# KiCad board ika_right.kicad_pcb
title: KEYBOARD_NAME_HERE; rev: VERSION_HERE; company: YOUR_NAME_HERE
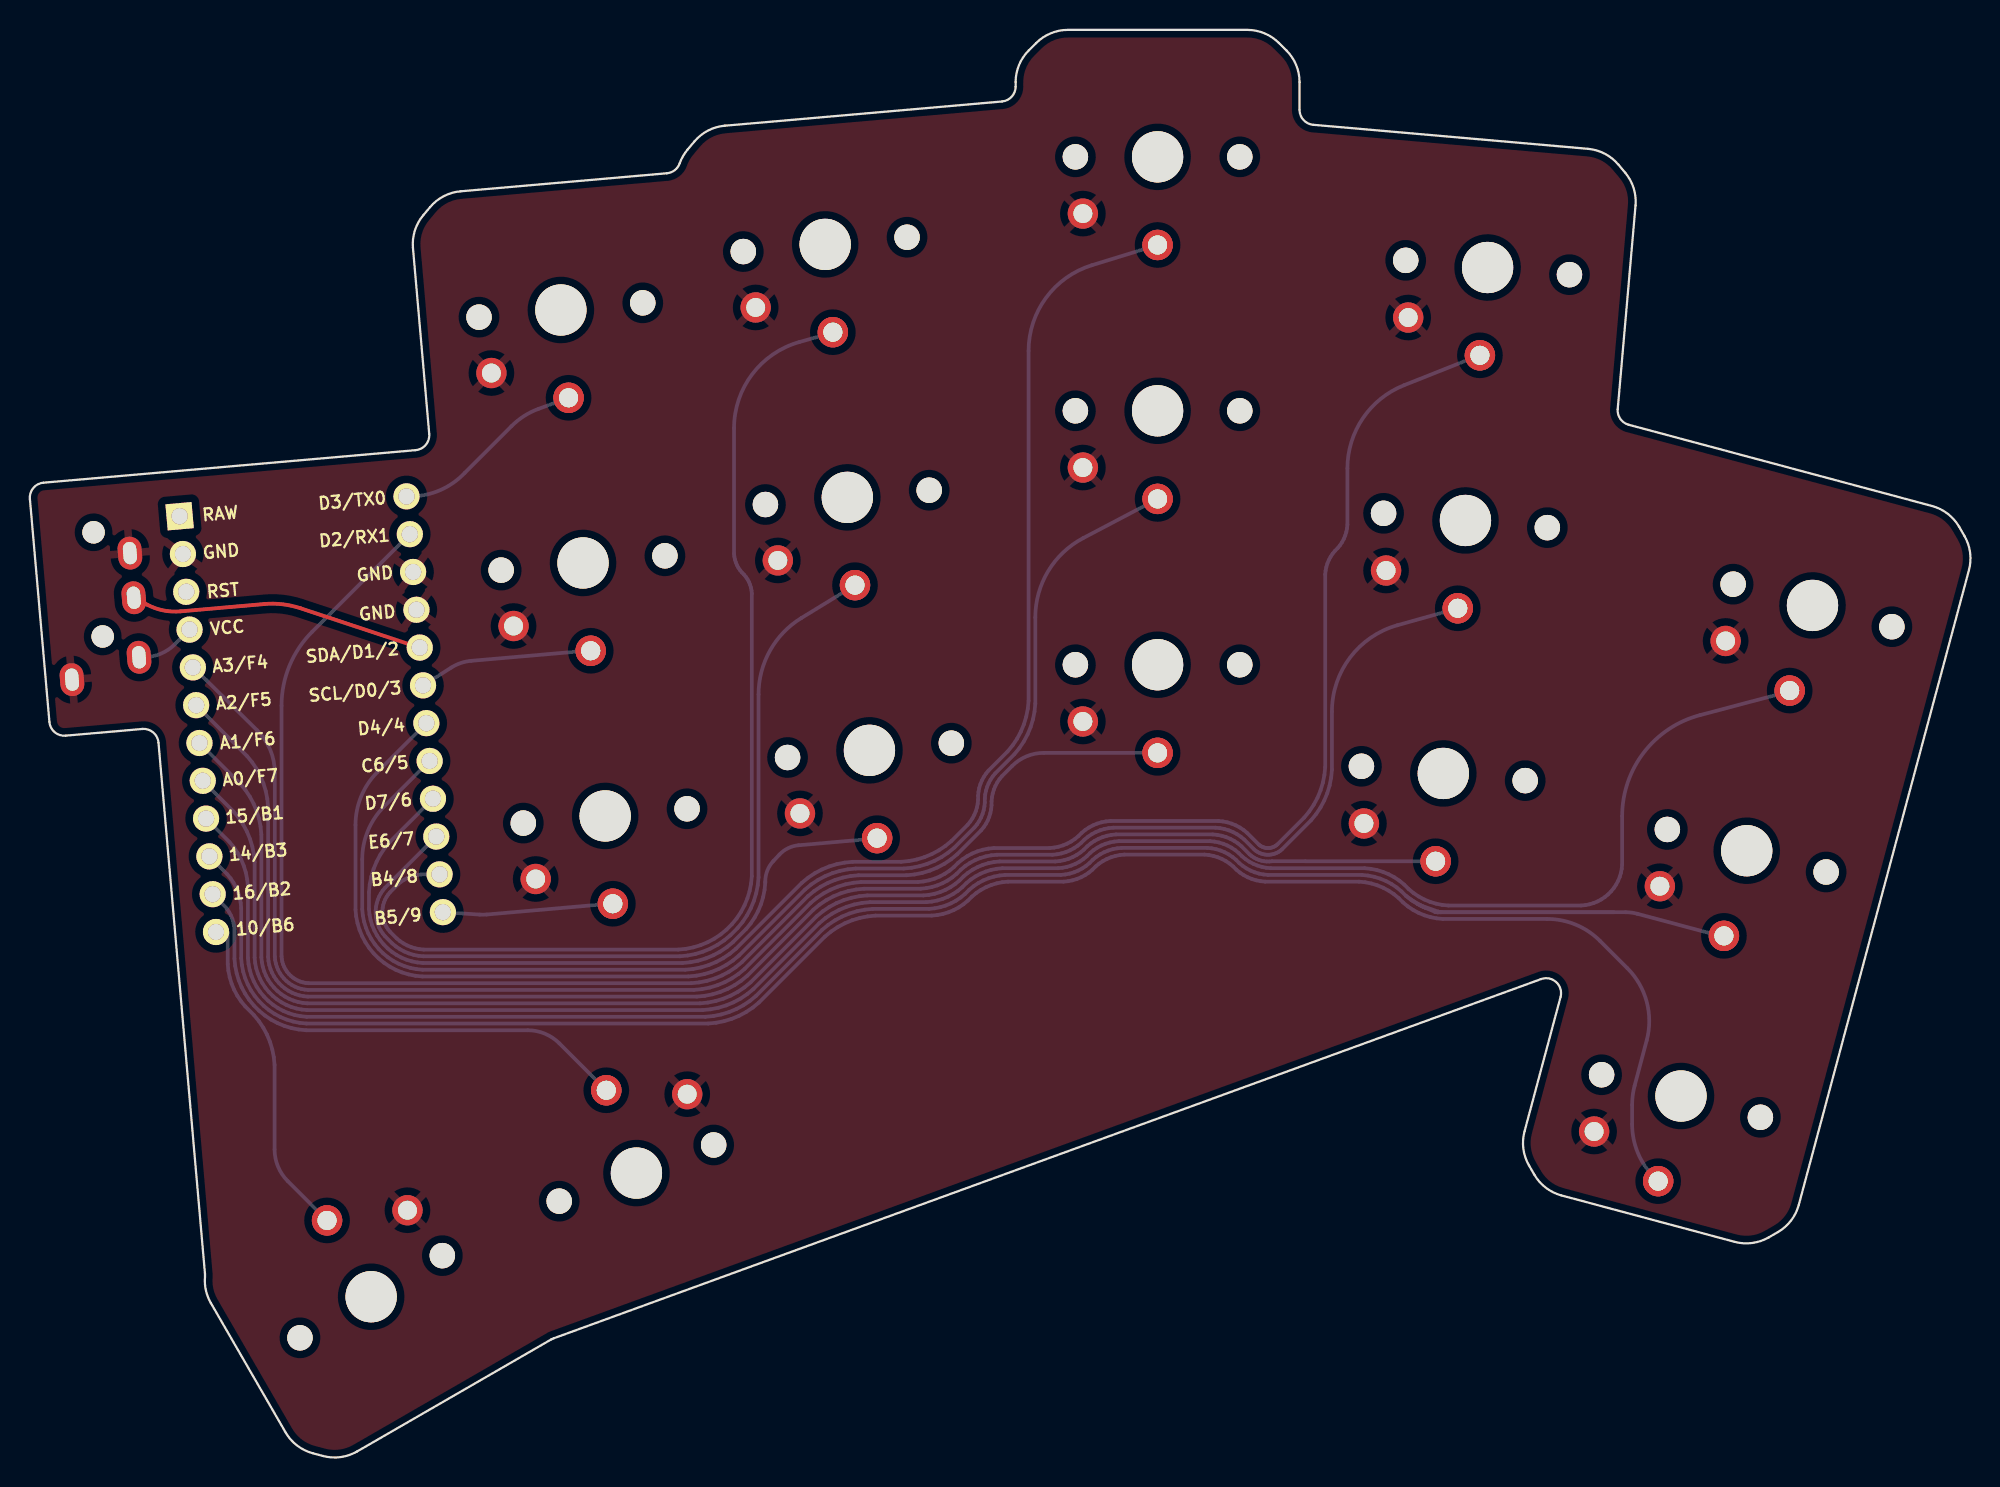
[diagram p0: board, top side]
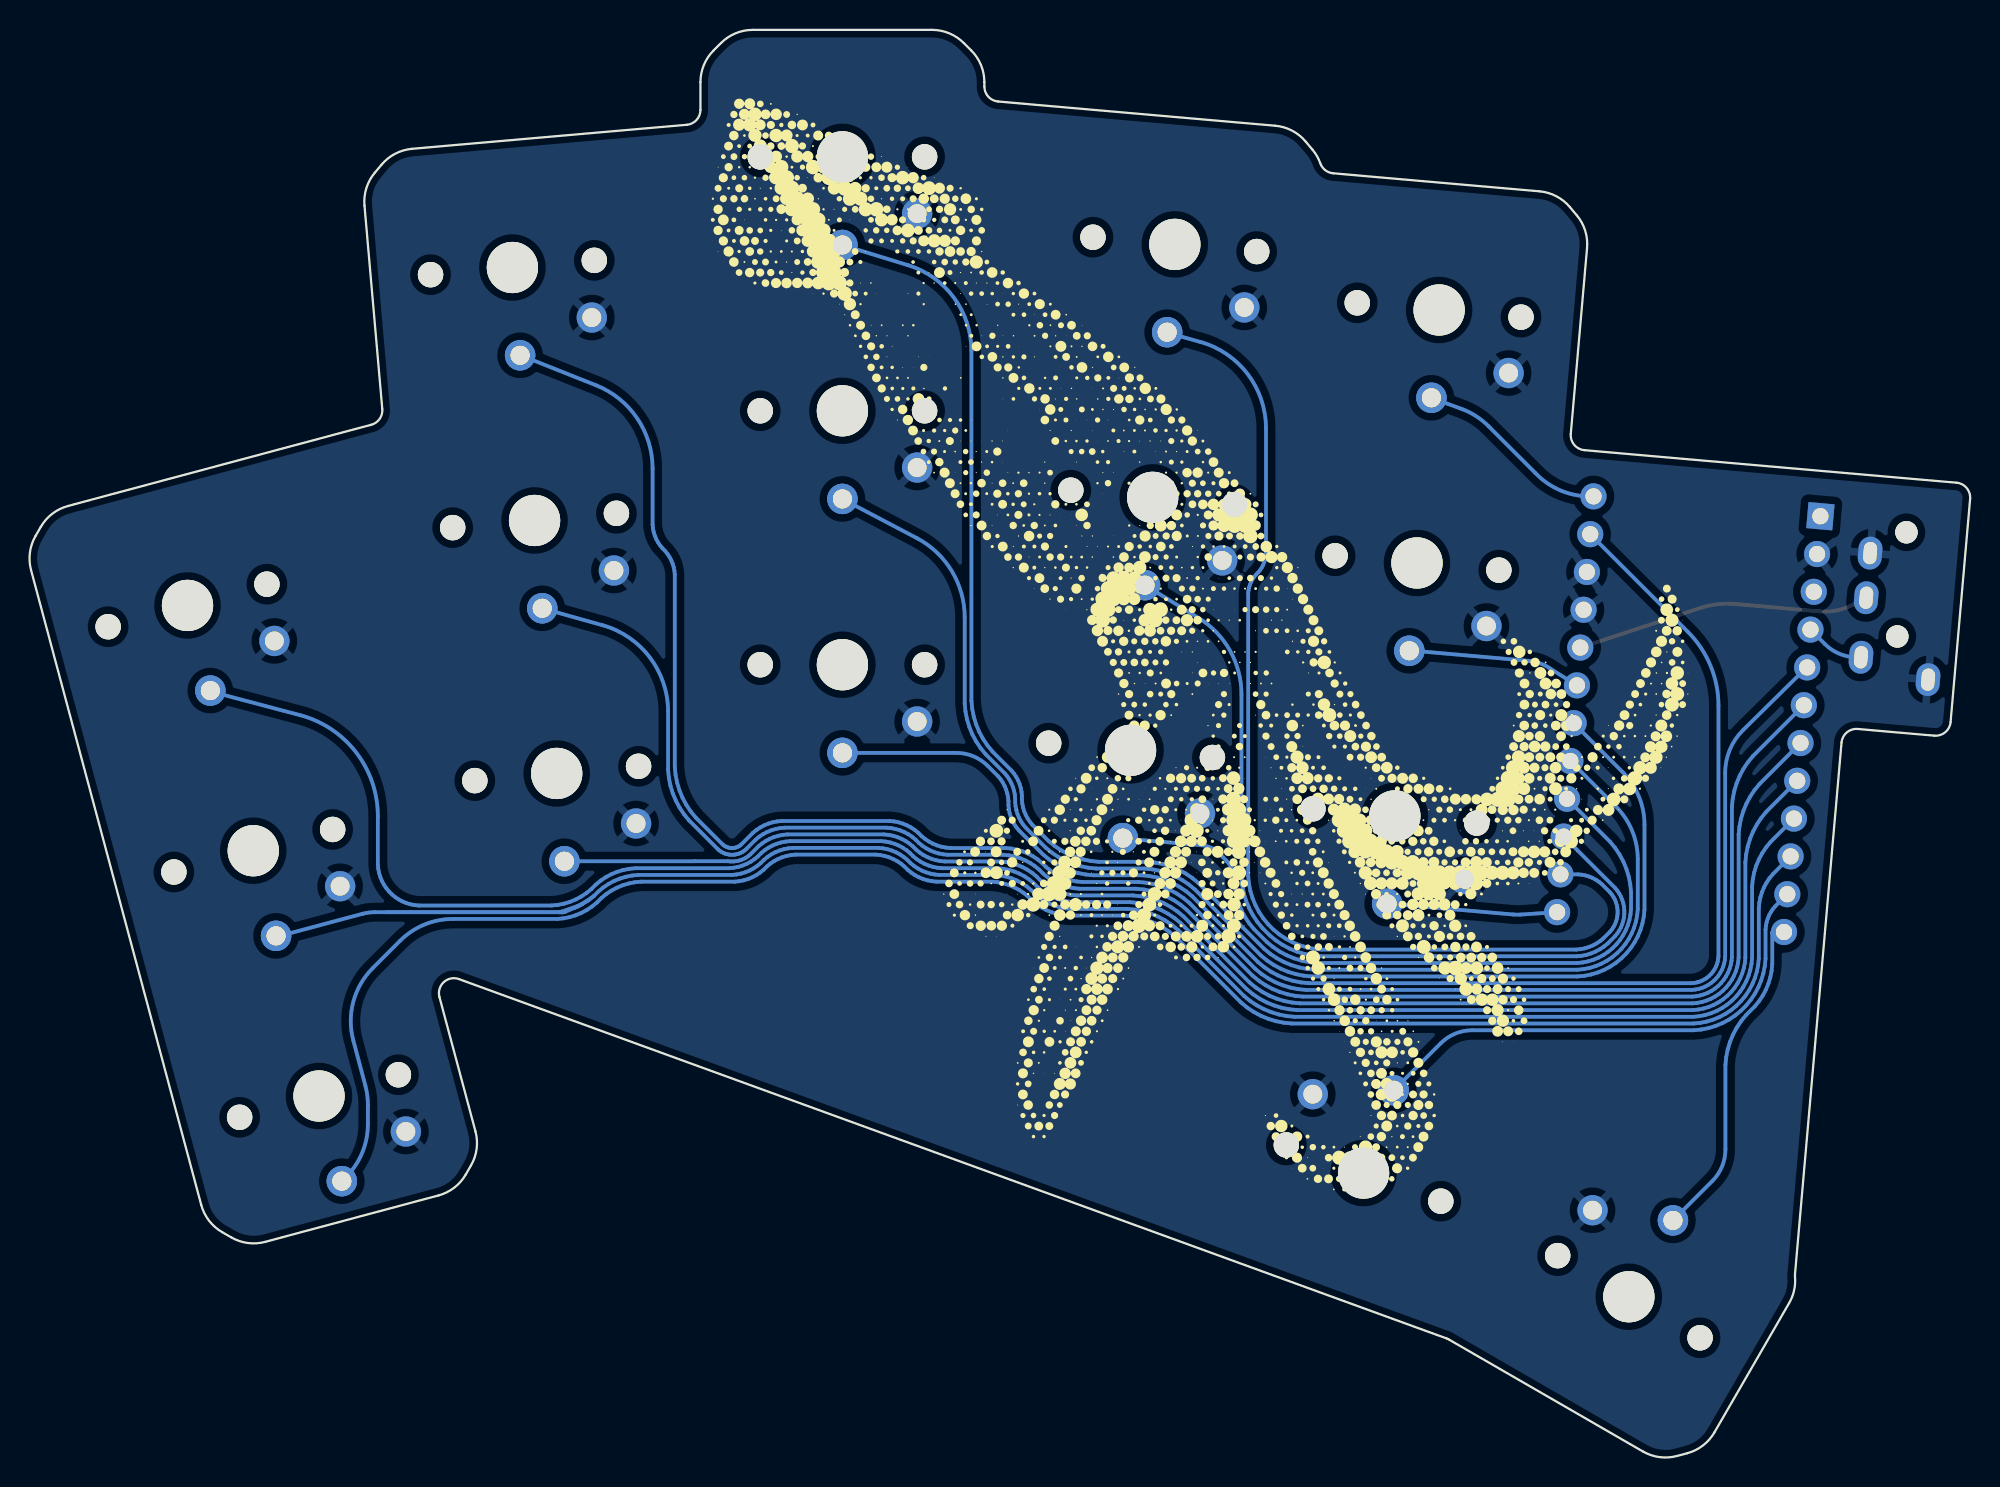
[diagram p1: board, bottom side, seen from below]

Outline 129.83 x 95.55 mm; copper layers: Top, Bottom. Coordinates in mm from the lower left corner of the outline.
Outline path: 18.93,0.26 arc(17.88,0.78) 17.11,1.66 12.11,10.32 arc(11.78,11.17) 11.72,12.08 arc(11.72,12.16) 11.72,12.25 8.6,47.84 arc(8.25,48.52) 7.52,48.75 2.39,48.3 arc(1.66,48.53) 1.31,49.21 0,64.15 arc(0.23,64.88) 0.91,65.23 25.81,67.41 arc(26.49,67.77) 26.72,68.5 25.63,80.95 arc(25.76,82.11) 26.32,83.14 26.78,83.68 arc(27.69,84.41) 28.82,84.74 42.63,85.95 arc(43.15,86.15) 43.48,86.61 arc(43.7,87.09) 44.01,87.53 ; 19.61,0.08 18.93,0.26 ; 19.61,0.08 arc(20.78,0) 21.89,0.38 34.88,7.88 arc(34.96,7.92) 35.04,7.95 101.12,32 arc(102.14,31.8) 102.43,30.8 100.02,21.8 arc(99.94,20.64) 100.32,19.53 ; 44.01,87.53 44.46,88.07 ; 44.46,88.07 arc(45.38,88.8) 46.5,89.13 65.05,90.75 arc(65.7,91.07) 65.96,91.75 65.96,92.05 arc(66.19,93.19) 66.84,94.17 ; 66.84,94.17 67.34,94.67 arc(68.31,95.32) 69.46,95.55 81.46,95.55 arc(82.61,95.32) 83.58,94.67 84.08,94.17 ; 84.08,94.17 arc(84.73,93.19) 84.96,92.05 84.96,90.19 arc(85.23,89.51) 85.88,89.19 104.26,87.58 arc(105.39,87.26) 106.3,86.52 106.75,85.98 arc(107.32,84.96) 107.44,83.79 106.25,70.16 arc(106.43,69.5) 106.99,69.11 127.28,63.67 arc(128.33,63.16) 129.1,62.28 129.46,61.66 arc(129.83,60.55) 129.76,59.39 118.37,16.89 arc(117.85,15.84) 116.97,15.06 116.36,14.71 arc(115.25,14.33) 114.08,14.41 102.49,17.52 arc(101.44,18.03) 100.67,18.91 ; 100.67,18.92 100.32,19.53

## Placement (name value [footprint] x y rotation side)
C1  -  [ProMicro]  18.83 49.74 275 top
S2  -  [PG1350]  110.49 24.17 345 bottom
S4  -  [PG1350]  114.89 40.59 345 bottom
S6  -  [PG1350]  119.29 57.02 345 bottom
S8  -  [PG1350]  94.58 45.77 355 bottom
S10  -  [PG1350#2]  96.06 62.7 355 bottom
S12  -  [PG1350]  97.55 79.64 355 bottom
S14  -  [PG1350]  75.46 53.05 0 bottom
S16  -  [PG1350]  75.46 70.05 0 bottom
S18  -  [PG1350]  75.46 87.05 0 bottom
S20  -  [PG1350]  56.18 47.32 5 bottom
S22  -  [PG1350]  54.7 64.25 5 bottom
S24  -  [PG1350]  53.22 81.19 5 bottom
S26  -  [PG1350]  38.5 42.92 5 bottom
S28  -  [PG1350]  37.01 59.86 5 bottom
S30  -  [PG1350]  35.53 76.79 5 bottom
S32  -  [PG1350]  40.59 19.02 200 bottom
S34  -  [PG1350]  22.84 10.74 210 bottom
T1  -  [TRRS-PJ-320A-dual]  1.83 63.31 185 bottom

## Footprints (pads in the part's own frame, mm; a bottom-side part is the same pattern mirrored in y, then rotated)
PG1350
  round 1.702 hole 1.702 unplated: (-5.5,0) (5.5,0)
  round 3.429 hole 3.429 unplated: (0,0)
  round 2.032 hole 1.27: 1(-5,3.8) 2(0,5.9) 2(0,5.9)
PG1350#2
  round 1.702 hole 1.702 unplated: (-5.5,0) (5.5,0)
  round 3.429 hole 3.429 unplated: (0,0)
  round 2.032 hole 1.27: 1(-5,3.8) 2(0,5.9) m(0,5.9)
ProMicro
  rect 1.753x1.753 hole 1.092: 1(-13.97,-7.62)
  round 1.753 hole 1.092: 2(-11.43,-7.62) 3(-8.89,-7.62) 4(-6.35,-7.62) 5(-3.81,-7.62) 6(-1.27,-7.62) 7(1.27,-7.62) 8(3.81,-7.62) 9(6.35,-7.62) 10(8.89,-7.62) 11(11.43,-7.62) 12(13.97,-7.62) 13(-13.97,7.62) 14(-11.43,7.62) 15(-8.89,7.62) 16(-6.35,7.62) 17(-3.81,7.62) 18(-1.27,7.62) 19(1.27,7.62) 20(3.81,7.62) 21(6.35,7.62) 22(8.89,7.62) 23(11.43,7.62) 24(13.97,7.62)
TRRS-PJ-320A-dual
  round 1.5 hole 1.5 unplated: (-2.3,-8.6) (-2.3,-1.6)
  oval 1.6x2.2 hole 0.9x1.5: 1(0,-11.3) 2(-4.6,-10.2) 3(-4.6,-6.2) 4(-4.6,-3.2)

## Nets
GND: C1.2 C1.15 C1.16 S2.1 S4.1 S6.1 S8.1 S10.1 S12.1 S14.1 S16.1 S18.1 S20.1 S22.1 S24.1 S26.1 S28.1 S30.1 S32.1 S34.1 T1.1 T1.4
VCC: C1.4 T1.2
P0: C1.5 S12.2
P1: C1.14 S14.2
P2: C1.17 T1.3
P3: C1.6 S10.2 S10.m
P4: C1.7 S8.2
P5: C1.8 S6.2
P6: C1.9 S4.2
P7: C1.10 S2.2
P8: C1.11 S32.2
P9: C1.12 S34.2
P10: C1.24 S26.2
P14: C1.22 S22.2
P15: C1.21 S20.2
P16: C1.23 S24.2
P18: C1.20 S18.2
P19: C1.19 S16.2
P20: C1.18 S28.2
P21: C1.13 S30.2
RAW: C1.1
RST: C1.3

## Routing (per net, layer and track width the routed paths; a pad name or vN(x,y) marks a point on that pad's centre or on a via; arc(x,y) is an arc through that point)
GND: length 0.3
  Bottom w0.25: 70,49.25 70.33,49.25
VCC: length 4
  Bottom w0.25: T1.2 7.59,53.55 arc(8.74,53.77) 9.71,54.42 C1.4
P0: length 133.3
  Bottom w0.25: 97,73.76 91.95,71.75 arc(89.2,69.55) 88.16,66.18 88.16,62.43 88.14,62.18 88.09,61.94 88.02,61.7 87.92,61.47 87.81,61.25 87.67,61.04 87.51,60.85 87.33,60.67 87.18,60.48 87.04,60.27 86.92,60.05 86.82,59.82 86.75,59.58 86.7,59.34 86.68,59.09 86.68,46.2 86.63,45.67 86.52,45.15 86.37,44.64 86.16,44.14 85.91,43.67 85.61,43.23 85.27,42.81 83.48,41.02 83.41,40.96 83.33,40.91 83.25,40.86 83.17,40.83 83.08,40.8 82.99,40.78 82.9,40.78 82.81,40.78 82.72,40.78 82.63,40.8 82.54,40.83 82.45,40.86 82.37,40.91 82.3,40.96 82.23,41.02 81.45,41.79 81.22,41.98 80.97,42.15 80.7,42.29 80.42,42.41 80.13,42.5 79.83,42.56 79.53,42.59 72.31,42.59 72.01,42.56 71.71,42.5 71.42,42.41 71.14,42.29 70.87,42.15 70.62,41.98 70.38,41.79 70.17,41.57 69.93,41.38 69.68,41.21 69.41,41.07 69.13,40.95 68.84,40.86 68.54,40.8 68.24,40.78 64.52,40.78 64.14,40.74 63.77,40.66 63.4,40.55 63.05,40.41 62.72,40.23 62.4,40.02 62.1,39.77 61.83,39.5 61.54,39.26 61.22,39.05 60.89,38.87 60.53,38.72 60.17,38.61 59.8,38.54 59.42,38.5 55.63,38.5 55.1,38.45 54.58,38.35 54.07,38.19 53.57,37.99 53.1,37.73 52.66,37.44 52.24,37.1 47.83,32.68 47.41,32.34 46.97,32.05 46.5,31.79 46,31.59 45.49,31.43 44.97,31.33 44.44,31.28 18.62,31.28 18.39,31.3 18.16,31.35 17.94,31.41 17.73,31.5 17.53,31.61 17.33,31.74 17.16,31.88 16.99,32.05 16.85,32.22 16.72,32.41 16.61,32.62 16.52,32.83 16.46,33.05 16.41,33.28 16.39,33.5 16.39,45.82 arc(16.08,47.36) 15.2,48.66 10.93,52.88
P1: length 97.8
  Bottom w0.25: C1.14 18.89,55.25 arc(17.37,52.98) 16.84,50.3 16.84,33.53 16.86,33.34 16.89,33.16 16.95,32.98 17.02,32.81 17.11,32.65 17.21,32.49 17.33,32.35 17.46,32.22 17.6,32.1 17.76,31.99 17.92,31.91 18.09,31.84 18.27,31.78 18.45,31.75 18.64,31.73 44.25,31.73 44.78,31.78 45.31,31.88 45.82,32.04 46.31,32.24 46.78,32.5 47.23,32.79 47.64,33.13 52.06,37.55 52.47,37.89 52.91,38.18 53.39,38.44 53.88,38.64 54.39,38.8 54.92,38.9 55.45,38.95 58.66,38.95 59.19,39.01 59.72,39.11 60.23,39.26 60.72,39.47 61.19,39.72 61.64,40.02 62.05,40.36 63.65,41.96 63.82,42.17 63.97,42.39 64.1,42.62 64.2,42.86 64.27,43.12 64.33,43.38 64.35,43.64 64.35,43.91 64.38,44.17 64.43,44.43 64.51,44.68 64.61,44.93 64.73,45.16 64.88,45.38 65.05,45.59 65.73,46.27 arc(66.7,46.92) 67.85,47.15 S14.2
P2: length 20.2
  Top w0.25: 6.95,57.13 T1.3 6.97,57.53 7.86,57.06 arc(8.93,56.68) 10.07,56.62 15.69,57.11 arc(16.91,57.09) 18.1,56.83 26.08,54.19 C1.17
P3: length 114.6
  Bottom w0.25: S10.2 91.51,55.69 arc(88.35,53.54) 87.13,49.91 87.13,46.02 87.08,45.49 86.97,44.96 86.82,44.45 86.61,43.96 86.36,43.48 86.06,43.04 85.72,42.63 83.78,40.68 83.67,40.6 83.56,40.52 83.44,40.46 83.32,40.4 83.19,40.36 83.05,40.34 82.92,40.33 82.78,40.33 82.65,40.34 82.52,40.36 82.39,40.4 82.26,40.46 82.14,40.52 82.03,40.6 81.92,40.68 81.27,41.34 81.03,41.53 80.78,41.7 80.51,41.84 80.23,41.96 79.94,42.05 79.64,42.11 79.34,42.14 72.49,42.14 72.19,42.11 71.89,42.05 71.6,41.96 71.32,41.84 71.05,41.7 70.8,41.53 70.57,41.34 70.35,41.12 70.12,40.93 69.86,40.76 69.6,40.62 69.32,40.5 69.02,40.41 68.73,40.35 68.42,40.33 64.71,40.33 64.33,40.29 63.96,40.21 63.59,40.1 63.24,39.96 62.9,39.78 62.59,39.57 62.29,39.32 62.02,39.05 61.73,38.81 61.41,38.6 61.07,38.42 60.72,38.27 60.36,38.16 59.98,38.09 59.6,38.05 55.82,38.05 55.29,38 54.76,37.9 54.25,37.74 53.76,37.54 53.29,37.28 52.84,36.99 52.43,36.65 48.01,32.23 47.6,31.89 47.16,31.6 46.68,31.34 46.19,31.14 45.68,30.98 45.15,30.88 44.62,30.83 18.59,30.83 18.32,30.85 18.05,30.91 17.79,30.99 17.54,31.09 17.29,31.22 17.07,31.37 16.85,31.55 16.66,31.74 16.49,31.95 16.33,32.18 16.2,32.42 16.1,32.68 16.02,32.94 15.97,33.21 15.94,33.48 15.94,43.54 15.89,44.07 15.78,44.59 15.63,45.11 15.42,45.6 15.17,46.07 14.87,46.52 14.53,46.93 C1.6
P4: length 100.3
  Bottom w0.25: C1.7 14.08,45.07 14.42,44.66 14.72,44.21 14.97,43.74 15.18,43.25 15.33,42.73 15.44,42.21 15.49,41.68 15.49,33.46 15.52,33.14 15.58,32.83 15.68,32.53 15.8,32.23 15.95,31.95 16.12,31.69 16.33,31.44 16.55,31.21 16.8,31.01 17.06,30.84 17.34,30.69 17.64,30.56 17.94,30.47 18.26,30.41 18.57,30.38 44.83,30.38 45.37,30.43 45.89,30.53 46.4,30.69 46.9,30.89 47.37,31.15 47.81,31.44 48.23,31.78 52.64,36.2 53.05,36.54 53.5,36.83 53.97,37.09 54.46,37.29 54.98,37.45 55.5,37.55 56.03,37.6 59.79,37.6 60.17,37.64 60.54,37.71 60.91,37.82 61.26,37.97 61.6,38.15 61.91,38.36 62.21,38.6 62.48,38.87 62.77,39.12 63.09,39.33 63.42,39.51 63.78,39.65 64.14,39.76 64.52,39.84 64.89,39.88 68.61,39.88 68.91,39.9 69.21,39.96 69.5,40.05 69.78,40.17 70.05,40.31 70.3,40.48 70.54,40.67 70.75,40.89 70.99,41.08 71.24,41.25 71.51,41.39 71.79,41.51 72.08,41.6 72.38,41.66 72.68,41.69 79.15,41.69 79.46,41.66 79.75,41.6 80.04,41.51 80.33,41.39 80.59,41.25 80.85,41.08 81.08,40.89 81.62,40.35 81.76,40.23 81.91,40.13 82.07,40.05 82.23,39.98 82.41,39.93 82.58,39.89 82.76,39.88 82.94,39.88 83.12,39.89 85.35,39.89 ; S8.2 85.35,39.89
P5: length 131.5
  Bottom w0.25: 117.85,51.29 111.75,49.67 arc(108,47.17) 106.55,42.91 106.55,39.66 106.52,39.38 106.47,39.1 106.38,38.83 106.28,38.57 106.14,38.32 105.99,38.09 105.81,37.87 105.61,37.67 105.39,37.49 105.15,37.33 104.9,37.2 104.64,37.09 104.37,37.01 104.1,36.96 103.81,36.93 94.92,36.93 94.5,36.97 94.09,37.05 93.69,37.17 93.31,37.33 92.94,37.53 92.59,37.76 92.26,38.03 91.97,38.32 91.64,38.59 91.3,38.82 90.93,39.02 90.54,39.18 90.14,39.3 89.73,39.38 89.31,39.43 83.04,39.43 82.73,39.45 82.44,39.51 82.15,39.6 81.86,39.72 81.6,39.86 81.34,40.03 81.11,40.22 80.89,40.44 80.66,40.63 80.41,40.8 80.14,40.94 79.86,41.06 79.57,41.15 79.27,41.21 78.97,41.24 72.87,41.24 72.56,41.21 72.27,41.15 71.98,41.06 71.69,40.94 71.43,40.8 71.17,40.63 70.94,40.44 70.72,40.22 70.49,40.03 70.24,39.86 69.97,39.72 69.69,39.6 69.4,39.51 69.1,39.45 68.8,39.43 65.08,39.43 64.7,39.39 64.33,39.31 63.96,39.2 63.61,39.06 63.27,38.88 62.96,38.67 62.66,38.42 62.39,38.15 62.1,37.91 61.78,37.7 61.45,37.52 61.09,37.37 60.73,37.26 60.36,37.19 59.98,37.15 56.22,37.15 55.69,37.1 55.16,37 54.65,36.84 54.16,36.64 53.68,36.38 53.24,36.09 52.83,35.75 48.41,31.33 48,30.99 47.55,30.7 47.08,30.44 46.59,30.24 46.08,30.08 45.55,29.98 45.02,29.93 18.55,29.93 18.19,29.96 17.83,30.03 17.49,30.14 17.15,30.28 16.83,30.45 16.53,30.65 16.25,30.88 15.99,31.14 15.76,31.42 15.56,31.72 15.39,32.04 15.25,32.37 15.15,32.72 15.08,33.08 15.04,33.44 15.04,39.82 14.99,40.35 14.88,40.88 14.73,41.39 14.52,41.88 14.27,42.35 13.97,42.8 13.63,43.21 C1.8
P6: length 131.5
  Bottom w0.25: 94.38,36.48 94.45,36.48 ; 94.38,36.48 94.36,36.49 ; 94.38,36.48 94.3,36.48 ; 94.45,36.48 94.36,36.49 ; 94.45,36.48 106.78,36.48 arc(107.18,36.45) 107.56,36.38 112.72,34.99 ; 93.03,36.95 92.85,37.04 ; 93.03,36.95 93.1,36.9 ; 93.03,36.95 94.24,36.52 ; 92.85,37.04 92.57,37.21 ; 92.85,37.04 93.1,36.9 ; 94.01,36.51 94.1,36.49 ; 94.01,36.51 94.07,36.5 ; 94.01,36.51 93.39,36.77 ; 94.1,36.49 94.07,36.5 ; 94.1,36.49 94.14,36.48 ; 94.07,36.5 94.19,36.48 ; C1.9 13.36,41.18 13.65,40.82 13.91,40.43 14.14,40.01 14.32,39.58 14.45,39.13 14.54,38.67 14.59,38.2 14.59,33.42 14.63,33.01 14.71,32.61 14.83,32.22 14.98,31.85 15.17,31.49 15.4,31.15 15.66,30.83 15.95,30.55 16.26,30.29 16.6,30.06 16.96,29.87 17.33,29.72 17.72,29.6 18.12,29.52 18.53,29.48 45.21,29.48 45.74,29.53 46.26,29.63 46.77,29.79 47.27,29.99 47.74,30.25 48.18,30.54 48.6,30.88 53.01,35.3 53.43,35.64 53.87,35.93 54.34,36.19 54.84,36.39 55.35,36.55 55.87,36.65 56.4,36.7 60.16,36.7 60.54,36.74 60.92,36.81 61.28,36.92 61.63,37.07 61.97,37.25 62.29,37.46 62.58,37.7 62.85,37.97 63.14,38.22 63.46,38.43 63.8,38.61 64.15,38.75 64.51,38.86 64.89,38.94 65.27,38.98 68.98,38.98 69.29,39 69.58,39.06 69.87,39.15 70.16,39.27 70.42,39.41 70.68,39.58 70.91,39.77 71.13,39.99 71.36,40.18 71.61,40.35 71.88,40.49 72.16,40.61 72.45,40.7 72.75,40.76 73.05,40.79 78.78,40.79 79.08,40.76 79.38,40.7 79.67,40.61 79.95,40.49 80.22,40.35 80.47,40.18 80.71,39.99 80.92,39.77 81.16,39.58 81.41,39.41 81.68,39.27 81.96,39.15 82.25,39.06 82.55,39 82.85,38.98 89.12,38.98 89.54,38.93 89.95,38.85 90.35,38.73 90.74,38.57 91.11,38.37 91.46,38.14 91.78,37.87 92.08,37.58 ; 93.39,36.77 93.2,36.85 ; 93.39,36.77 93.13,36.91 ; 92.41,37.32 93.13,36.91 ; 92.41,37.32 92.57,37.21 ; 92.41,37.32 92.08,37.58 ; 93.13,36.91 93.2,36.85 ; 94.27,36.48 94.3,36.48 ; 94.27,36.48 94.24,36.48 ; 94.27,36.48 94.27,36.49 ; 94.3,36.48 94.27,36.49 ; 92.57,37.21 92.08,37.58 ; 94.36,36.49 94.26,36.51 ; 94.27,36.49 94.26,36.5 ; 94.24,36.48 94.19,36.48 ; 94.24,36.48 94.21,36.48 ; 94.19,36.48 94.21,36.48 ; 94.19,36.48 94.21,36.48 ; 94.19,36.48 94.18,36.48 ; 94.19,36.48 94.14,36.48 ; 94.18,36.48 94.14,36.48 ; 94.18,36.48 106,36.48 ; 94.26,36.51 94.26,36.5 ; 94.26,36.51 94.24,36.52 ; 93.2,36.85 93.1,36.9 ; 94.26,36.5 94.24,36.52
P7: length 123.9
  Bottom w0.25: C1.10 13.2,39.03 13.43,38.75 13.63,38.45 13.79,38.14 13.93,37.81 14.03,37.47 14.1,37.12 14.14,36.76 14.14,33.39 14.18,32.95 14.27,32.5 14.4,32.07 14.58,31.65 14.79,31.26 15.04,30.88 15.33,30.53 15.64,30.21 15.99,29.93 16.37,29.68 16.77,29.46 17.18,29.29 17.61,29.16 18.06,29.07 18.51,29.03 45.39,29.03 45.92,29.08 46.45,29.18 46.96,29.34 47.45,29.54 47.93,29.8 48.37,30.09 48.78,30.43 53.2,34.85 53.61,35.19 54.06,35.48 54.53,35.74 55.02,35.94 55.53,36.1 56.06,36.2 56.59,36.25 60.35,36.25 60.73,36.29 61.1,36.36 61.47,36.47 61.82,36.62 62.16,36.8 62.47,37.01 62.77,37.25 63.04,37.52 63.33,37.77 63.65,37.98 63.98,38.16 64.34,38.3 64.7,38.41 65.07,38.49 65.45,38.53 69.17,38.53 69.47,38.55 69.77,38.61 70.06,38.7 70.34,38.82 70.61,38.96 70.86,39.13 71.1,39.32 71.31,39.54 71.55,39.73 71.8,39.9 72.07,40.04 72.35,40.16 72.64,40.25 72.94,40.31 73.24,40.34 78.59,40.34 78.9,40.31 79.19,40.25 79.49,40.16 79.77,40.04 80.03,39.9 80.29,39.73 80.52,39.54 80.74,39.32 80.97,39.13 81.22,38.96 81.49,38.82 81.77,38.7 82.06,38.61 82.36,38.55 82.66,38.53 88.94,38.53 89.35,38.48 89.77,38.4 90.17,38.28 90.55,38.12 90.92,37.92 91.27,37.69 91.59,37.42 91.89,37.13 92.21,36.86 92.56,36.63 92.93,36.43 93.32,36.27 93.72,36.15 94.13,36.07 94.55,36.03 101.53,36.03 arc(103.44,35.65) 105.06,34.56 106.9,32.73 arc(108.19,30.49) 108.19,27.91 107.38,24.86 arc(107.26,24.23) 107.22,23.58 107.22,22.29 arc(107.6,20.38) 108.68,18.75 S2.2
P8: length 33.9
  Bottom w0.25: S32.2 35.43,27.7 arc(34.46,28.35) 33.31,28.58 18.48,28.58 17.99,28.63 17.51,28.72 17.03,28.87 16.57,29.06 16.14,29.29 15.72,29.56 15.34,29.88 14.99,30.23 14.68,30.61 14.4,31.02 14.17,31.46 13.98,31.92 13.83,32.39 13.74,32.88 13.69,33.37 13.69,35.32 13.67,35.56 13.62,35.8 13.55,36.04 13.45,36.26 13.34,36.48 13.2,36.68 13.05,36.87 C1.11
P9: length 22.5
  Bottom w0.25: 12.45,34.81 12.45,35 12.46,35.03 12.47,35.06 12.49,35.09 12.52,35.12 12.54,35.14 12.58,35.15 12.61,35.15 13.16,35.15 13.18,35.15 13.19,35.15 13.21,35.14 13.22,35.13 13.23,35.12 13.23,35.1 13.24,35.09 13.24,35.08 13.24,33 13.28,32.56 13.37,32.12 13.5,31.69 13.67,31.28 13.88,30.89 14.13,30.52 14.41,30.17 14.99,29.59 15.33,29.19 15.62,28.75 15.87,28.29 16.07,27.8 16.22,27.3 16.32,26.78 16.37,26.26 16.37,20.6 arc(16.6,19.45) 17.25,18.48 S34.2
P10: length 11.5
  Bottom w0.25: 27.68,36.51 27.66,36.5 27.65,36.5 C1.24 30.1,36.32 arc(30.33,36.31) 30.56,36.32 39.09,37.07
P14: length 59.3
  Bottom w0.25: C1.22 23.76,38.11 23.61,37.93 23.48,37.73 23.37,37.52 23.28,37.3 23.21,37.08 23.16,36.85 23.14,36.61 23.14,36.37 23.16,36.14 23.21,35.91 23.28,35.68 23.37,35.46 23.48,35.25 23.61,35.06 23.76,34.87 24.24,34.39 24.49,34.19 24.77,34 25.06,33.85 25.36,33.72 25.68,33.62 26,33.56 26.33,33.53 43.48,33.53 44.01,33.58 44.54,33.68 45.05,33.84 45.54,34.04 46.01,34.3 46.46,34.59 46.87,34.93 47.35,35.42 47.69,35.83 47.99,36.27 48.24,36.75 48.45,37.24 48.6,37.75 48.71,38.28 48.76,38.81 48.76,51.06 arc(49.52,53.99) 51.63,56.18 S22.2
P15: length 49.2
  Bottom w0.25: C1.21 24.09,41.19 23.75,40.78 23.45,40.34 23.2,39.87 23,39.37 22.85,38.87 22.74,38.34 22.69,37.82 22.69,36.7 22.73,36.33 22.8,35.96 22.91,35.6 23.05,35.25 23.23,34.93 23.43,34.61 23.67,34.32 23.94,34.06 24.23,33.82 24.54,33.62 24.87,33.44 25.21,33.3 25.57,33.19 25.94,33.11 26.31,33.08 43.67,33.08 44.2,33.13 44.72,33.23 45.23,33.39 45.73,33.59 46.2,33.85 46.64,34.14 47.06,34.48 47.92,35.34 48.23,35.72 48.5,36.13 48.74,36.56 48.92,37.02 49.07,37.49 49.16,37.97 49.21,38.46 49.21,38.53 arc(49.35,39.27) 49.75,39.9 50.16,40.34 arc(50.74,40.77) 51.44,40.96 56.69,41.42
P16: length 74.3
  Bottom w0.25: 53.76,75.29 51.49,74.65 arc(48.33,72.49) 47.12,68.87 47.12,60.49 47.14,60.29 47.18,60.09 47.24,59.9 47.31,59.72 47.41,59.54 47.52,59.38 47.64,59.22 47.79,59.08 47.91,58.93 48.02,58.76 48.12,58.59 48.19,58.4 48.25,58.21 48.29,58.01 48.31,57.82 48.31,38.89 48.26,38.39 48.16,37.89 48.01,37.4 47.82,36.94 47.58,36.49 47.3,36.06 46.97,35.67 46.62,35.31 46.22,34.99 45.8,34.71 45.35,34.47 44.88,34.27 44.4,34.13 43.9,34.03 43.39,33.98 26.35,33.98 26.07,34.01 25.79,34.06 25.52,34.14 25.25,34.25 25,34.39 24.76,34.55 24.54,34.73 24.1,35.17 23.97,35.32 23.87,35.48 23.78,35.65 23.7,35.83 23.65,36.02 23.61,36.2 23.59,36.4 23.59,36.59 23.61,36.78 23.65,36.97 23.7,37.15 23.78,37.33 23.87,37.5 23.97,37.66 24.1,37.81 24.64,38.35 24.83,38.51 25.04,38.65 25.26,38.77 25.5,38.87 25.74,38.94 25.98,38.99 26.23,39.01 C1.23
P18: length 102.8
  Bottom w0.25: C1.20 23.7,43.56 arc(22.62,41.94) 22.24,40.02 22.24,36.68 22.28,36.26 22.36,35.85 22.48,35.45 22.64,35.06 22.84,34.69 23.07,34.35 23.34,34.02 23.63,33.73 23.96,33.46 24.31,33.23 24.67,33.03 25.06,32.87 25.46,32.75 25.87,32.67 26.29,32.63 43.85,32.63 44.38,32.68 44.91,32.78 45.42,32.94 45.92,33.14 46.39,33.4 46.83,33.69 47.24,34.03 51.66,38.45 52.07,38.79 52.52,39.08 52.99,39.34 53.48,39.54 53.99,39.7 54.52,39.8 55.05,39.85 58.29,39.85 58.82,39.9 59.35,40.01 59.86,40.16 60.35,40.37 60.82,40.62 61.26,40.91 61.67,41.25 62.75,42.33 62.92,42.54 63.07,42.76 63.2,42.99 63.3,43.24 63.37,43.49 63.43,43.75 63.45,44.01 63.45,44.28 63.48,44.54 63.53,44.8 63.61,45.06 63.71,45.3 63.83,45.54 63.98,45.76 64.15,45.96 65.42,47.24 65.76,47.65 66.06,48.1 66.31,48.57 66.52,49.06 66.67,49.57 66.78,50.1 66.83,50.63 66.83,74.06 arc(68,77.62) 71.06,79.79 S18.2
P19: length 89
  Bottom w0.25: C1.19 23.25,45.86 arc(22.17,44.24) 21.79,42.32 21.79,36.65 21.83,36.19 21.93,35.74 22.06,35.3 22.24,34.87 22.45,34.46 22.71,34.08 23,33.72 23.33,33.39 23.69,33.1 24.07,32.84 24.48,32.62 24.91,32.45 25.35,32.31 25.8,32.22 26.27,32.18 44.06,32.18 44.6,32.23 45.12,32.33 45.63,32.49 46.13,32.69 46.6,32.95 47.04,33.24 47.46,33.58 51.87,38 52.28,38.34 52.73,38.63 53.2,38.89 53.69,39.09 54.21,39.25 54.73,39.35 55.26,39.4 58.47,39.4 59.01,39.46 59.53,39.56 60.04,39.71 60.54,39.92 61.01,40.17 61.45,40.47 61.87,40.81 63.2,42.15 63.37,42.35 63.52,42.57 63.65,42.81 63.75,43.05 63.82,43.3 63.88,43.56 63.9,43.83 63.9,44.09 63.93,44.36 63.98,44.62 64.06,44.87 64.16,45.12 64.28,45.35 64.43,45.57 64.6,45.77 65.87,47.05 66.21,47.46 66.51,47.91 66.76,48.38 66.97,48.87 67.12,49.39 67.23,49.91 67.28,50.44 67.28,56.22 arc(68.14,59.32) 70.48,61.52 S16.2
P20: length 11.7
  Bottom w0.25: C1.18 26.32,51.67 28.2,52.85 arc(28.84,53.16) 29.54,53.31 37.57,54.01
P21: length 13.1
  Bottom w0.25: 25.2,64.33 C1.13 25.46,64.32 arc(27.43,64.73) 29.09,65.88 32.23,69.02 arc(33.07,69.7) 34.04,70.18 S30.2

## Copper pours and planes (outline as drawn; the poured copper is in the pictures)
GND on Top: -1.91,-2.66 132.95,-2.64 132.87,97.31 -1.99,97.31
GND on Bottom: -1.91,-2.66 132.95,-2.64 132.87,97.3 -1.99,97.31
